# KiCad board design.kicad_pcb (continued)
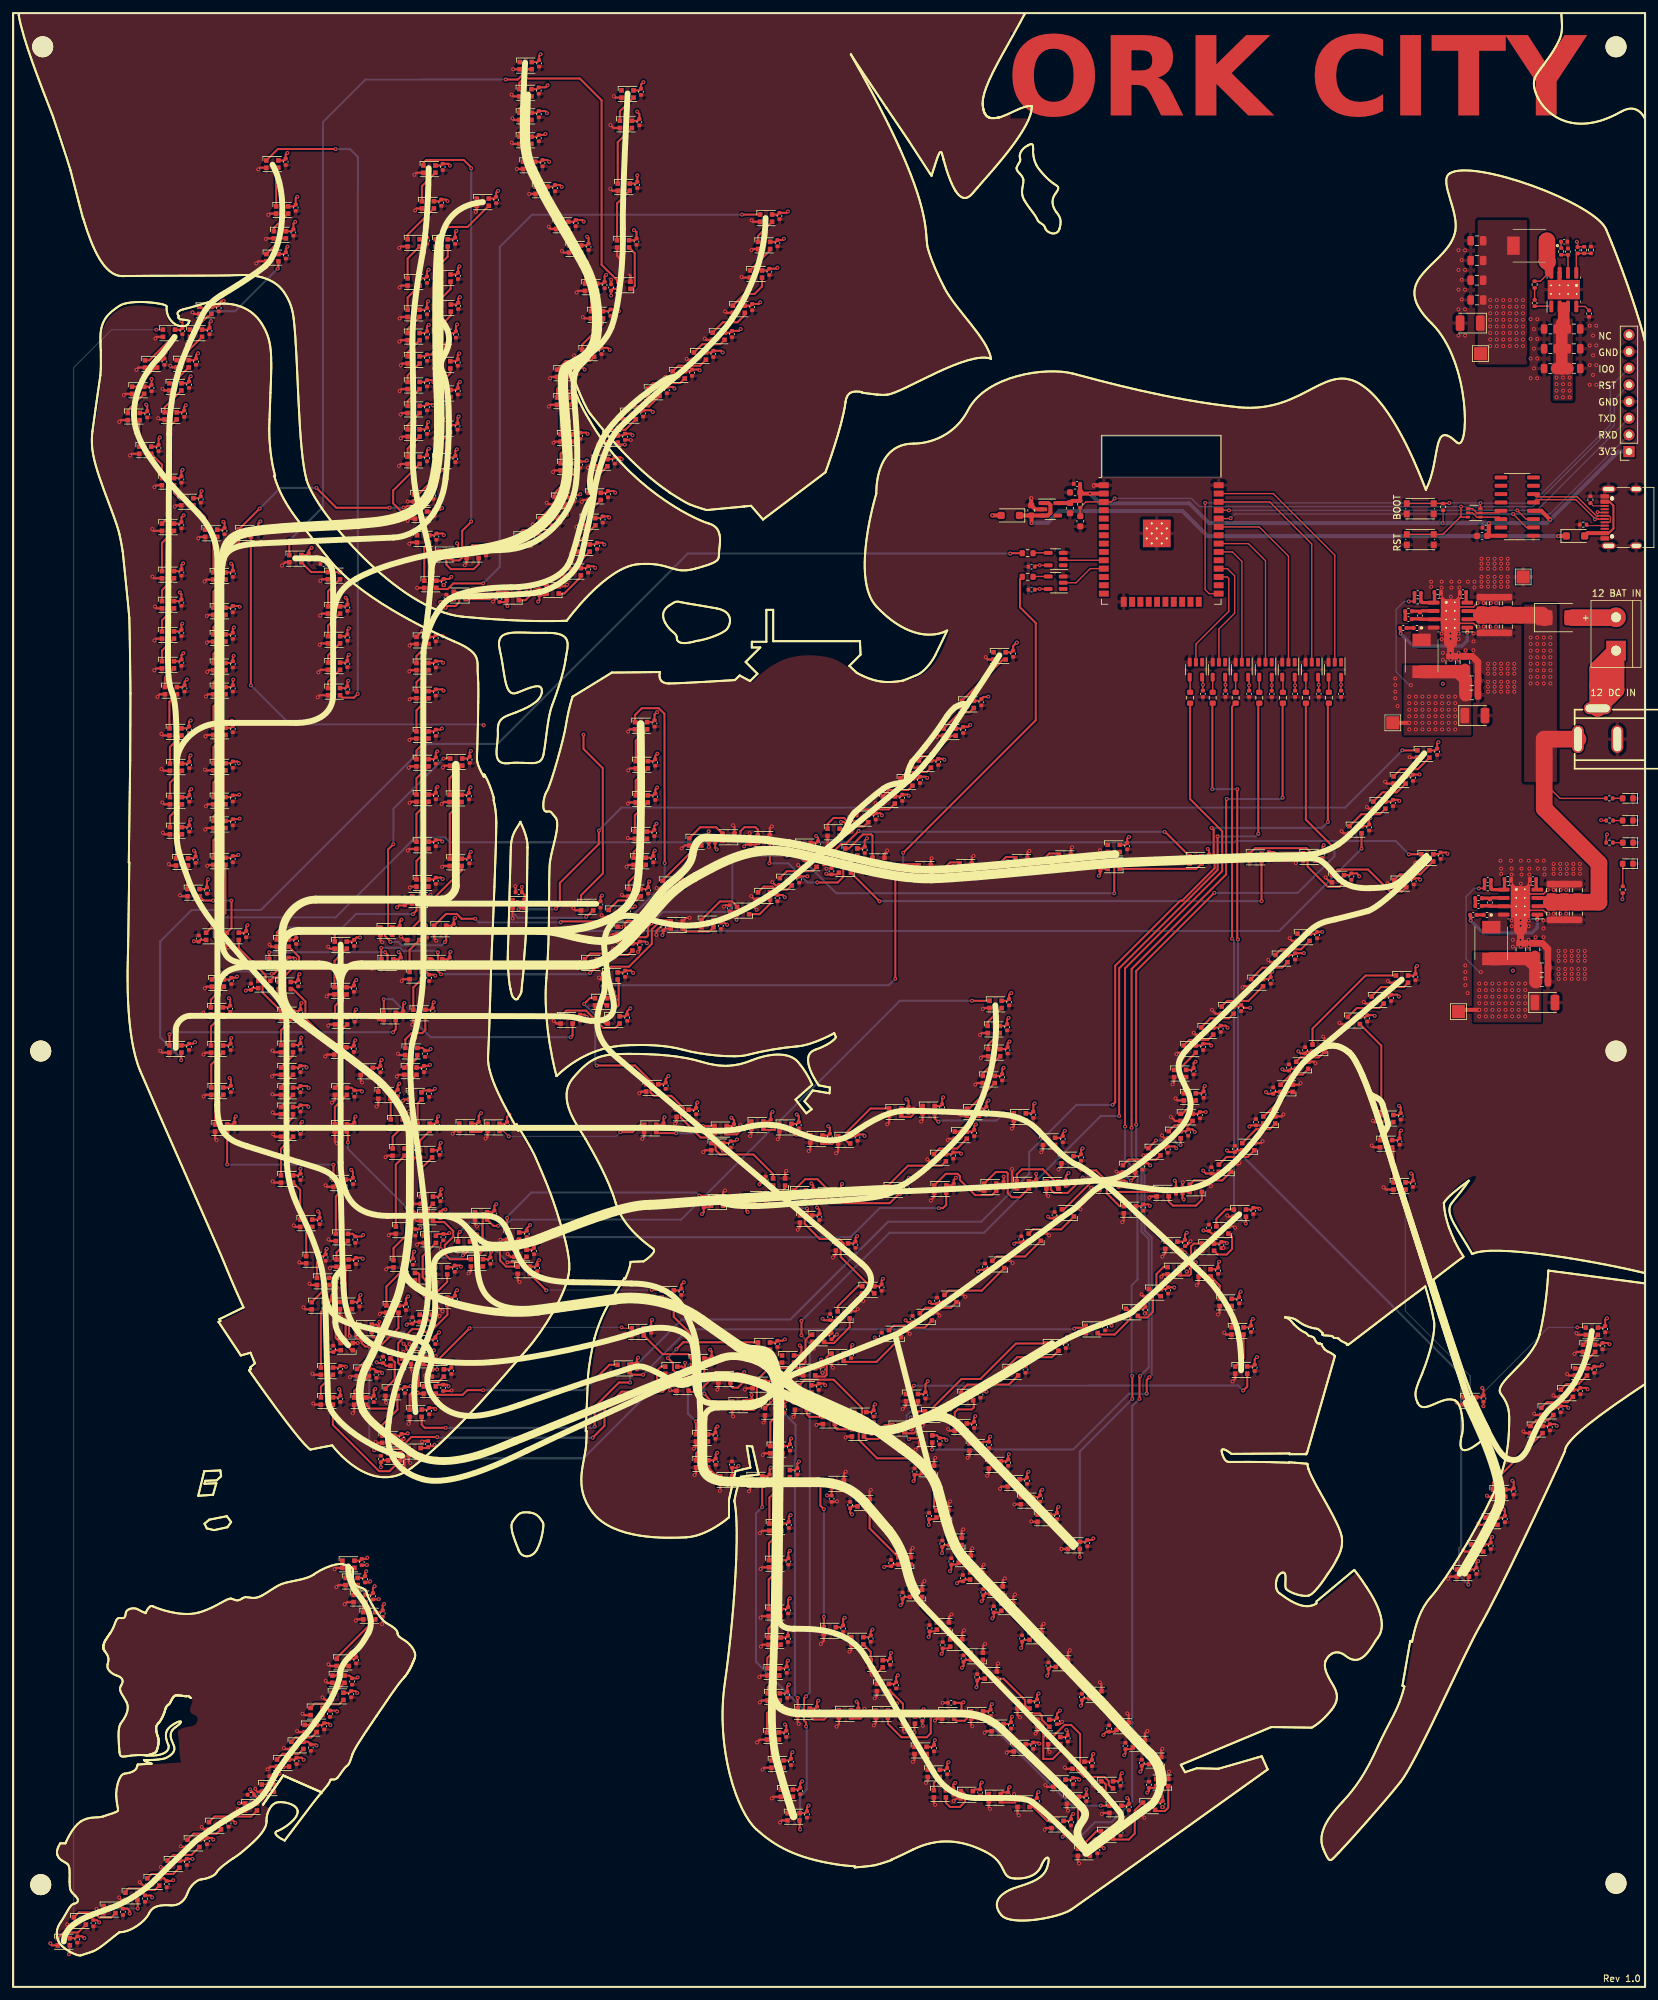
[diagram p0: board, top side]
## Routing (per net, layer and track width the routed paths; a pad name or vN(x,y) marks a point on that pad's centre or on a via; arc(x,y) is an arc through that point) (continued)
v1(60.56,91.53) 60.56,91.61 60.41,91.46 ; v1(27.03,187.61) 26.84,187.42 C288.1 26.57,186.37 D239.4 ; v1(52.13,144.21) 51.91,143.99 C366.1 51.64,143.14 D316.4 ; D155.4 58.77,156.56 C204.1 59.04,157.37 58.76,157.65 v1(58.74,157.65) 58.74,157.67 58.85,157.56 ; D322.4 69.28,187.15 C372.1 69.55,188.13 69.72,188.3 v1(69.74,188.3) 69.74,188.32 69.67,188.25 ; D36.4 62.48,136.56 C83.1 63.97,136.56 v1(64.26,136.83) 64.08,136.67 ; v1(104.95,117.74) 104.96,117.74 105.21,117.99 C429.1 106.07,118.76 D377.4 ; 50.77,211.57 50.67,211.67 v1(50.67,211.64) 50.7,211.64 50.93,211.41 C308.1 50.66,210.32 D259.4 ; D396.4 51.69,159.26 C448.1 52.31,159.88 v1(52.86,159.88) ; D13.4 151.33,80.08 C60.1 151.6,81.02 151.7,81.12 v1(151.7,81.16) 151.74,81.16 151.66,81.08 ; 138.65,42.27 138.72,42.34 v1(138.72,42.32) 138.7,42.32 138.53,42.15 C403.1 138.25,41.21 D351.4 ; v1(65.44,168.79) 65.4,168.79 65.19,169 C89.1 64.12,168.73 D42.4 ; D213.4 172.23,103.32 C262.1 172.5,104 172.1,104.4 v1(172.05,104.4) 172.05,104.45 172.14,104.36 ; v1(65.47,205.76) 65.28,205.95 C96.1 64.12,205.68 D49.4 ; D338.4 97.41,176.01 C389.1 97.68,176.87 98.02,177.21 v1(98.02,177.22) ; 58.79,137.53 58.86,137.6 v1(58.84,137.6) 58.84,137.58 58.58,137.33 C364.1 58.31,136.41 D314.4 ; D225.4 46.42,116.89 C274.1 46.69,117.98 46.52,118.15 v1(46.45,118.15) 46.45,118.22 46.57,118.1 ; 65.2,121.42 65.28,121.5 v1(65.25,121.5) 65.25,121.47 65.09,121.31 C80.1 64.82,120.4 D33.4 ; D319.4 59.94,165.03 C369.1 58.79,164.76 58.5,164.47 v1(58.49,164.47) 58.49,164.46 58.58,164.55 ; D244.4 25.39,211.12 C293.1 25.64,212.17 25.39,212.42 v1(25.39,212.45) 25.36,212.45 25.38,212.43 ; D306.4 62.95,82.1 63.22,82.37 64,82.37 64.19,82.56 v1(64.19,82.59) 64.22,82.59 64.17,82.54 ; 67.75,219.89 67.62,220.02 v1(67.62,219.93) 67.71,219.93 67.79,219.85 C139.1 67.52,218.77 D91.4 ; 127.85,97.77 127.88,97.8 v1(127.87,97.8) 127.87,97.79 127.65,97.57 C187.1 127.38,96.49 D138.4 ; D22.4 126.07,86.84 C69.1 126.34,87.76 126.42,87.84 v1(126.42,87.92) 126.5,87.92 126.39,87.81 ; 33.28,216.79 33.22,216.85 v1(33.22,216.83) 33.24,216.83 33.47,216.6 C246.1 33.2,215.5 D197.4 ; D308.4 54.94,94.15 C358.1 56.04,93.74 56.22,93.56 v1(56.22,93.52) 56.26,93.52 56.17,93.61 ; D35.4 64.3,131.5 C82.1 64.57,132.4 v1(64.77,132.62) 64.63,132.46 ; D280.4 141.83,67.31 C330.1 141.56,66.11 v1(141.53,66.08) ; D74.4 79.82,285.52 C122.1 81.08,285.79 81.33,285.54 v1(81.33,285.46) 81.41,285.46 81.26,285.61 ; 63.94,248.84 64.06,248.96 v1(64.06,248.95) 64.05,248.95 63.79,248.69 C146.1 62.78,248.42 D98.4 ; 119.5,132.82 119.38,132.94 v1(119.38,132.91) 119.41,132.91 119.69,132.62 C513.1 119.42,131.48 D459.4 ; 135.34,58.27 135.21,58.14 v1(135.21,58.16) 135.23,58.16 135.5,58.43 C411.1 135.77,59.4 D359.4 ; v1(81.66,278.05) 81.38,278.33 C124.1 80.38,278.06 D76.4 ; D107.4 224.84,67.41 C156.1 225.11,68.34 225.33,68.56 v1(225.34,68.56) 225.34,68.57 225.25,68.48 ; D356.4 124.7,76.06 C408.1 124.02,74.85 v1(124,74.87) ; D121.4 209.65,150.89 C170.1 210.88,151.16 211.12,150.92 v1(211.12,150.88) 211.16,150.88 211.06,150.98 ; D207.4 28.54,159.5 C256.1 v1(27.53,159.3) ; 53.26,114.47 53.34,114.55 v1(53.32,114.55) 53.32,114.53 53.11,114.32 C196.1 51.72,114.73 D147.4 ; D136.4 137.88,101.26 C185.1 136.26,101.26 135.97,101.55 v1(135.96,101.55) ; D54.4 88.68,219.76 C101.1 89.8,220.03 90.08,219.75 v1(90.08,219.73) 90.1,219.73 89.98,219.85 ; 113.8,256.61 113.84,256.65 v1(113.82,256.65) 113.82,256.63 113.59,256.4 C111.1 112.32,256.13 D64.4 ; D81.4 90.75,255.29 C129.1 92.1,255.56 92.3,255.36 v1(92.3,255.3) 92.36,255.3 92.24,255.42 ; D134.4 148.34,109.51 C183.1 147.22,109.24 147.03,109.05 v1(147.03,108.99) 146.97,108.99 147.06,109.08 ; 126.27,122.27 126.34,122.34 v1(126.29,122.34) 126.29,122.29 126.12,122.12 C432.1 125.85,121.15 D380.4 ; 176.76,106.55 176.91,106.4 v1(176.91,106.54) 176.77,106.54 176.72,106.59 C261.1 175.69,106.32 D212.4 ; 33.02,138.36 32.91,138.47 v1(32.98,138.47) 32.98,138.4 33.16,138.22 C199.1 32.89,137.01 D150.4 ; v1(32.08,256.85) 31.73,256.85 31.32,256.44 C300.1 31.05,255.96 D251.4 ; 158.22,170.42 158.33,170.31 v1(158.32,170.31) 158.32,170.32 158.19,170.45 C375.1 159.06,171.11 D324.4 ; 63.96,244.63 64.11,244.48 v1(64.03,244.48) 64.03,244.56 63.8,244.79 C147.1 62.78,244.52 D99.4 ; 25.68,253.75 25.61,253.82 v1(25.61,253.78) 25.65,253.78 25.79,253.64 C238.1 25.52,252.48 D189.4 ; D180.4 37.15,28.81 C229.1 36.68,29.49 v1(36.1,30.07) ; D165.4 203.62,169.37 C214.1 204.74,169.64 v1(205.1,169.18) ; D104.4 64.22,221.16 C152.1 65.43,221.43 65.62,221.24 v1(65.62,221.17) 65.69,221.17 65.61,221.25 ; v1(188.46,149.15) 187.56,149.15 C538.1 186.81,149.36 D483.4 ; 180.04,140.93 180.15,141.04 v1(180.15,140.95) 180.06,140.95 179.84,140.73 C535.1 179.57,139.7 D480.4 ; D241.4 25.84,198.03 C290.1 26.11,198.81 26.48,199.18 v1(26.48,199.19) ; D355.4 126.19,54.8 C407.1 126.45,56.05 126.65,56.24 v1(126.69,56.24) 126.69,56.28 126.64,56.23 ; 131.34,98.84 131.25,98.93 v1(131.27,98.93) 131.27,98.91 131.49,98.69 C186.1 132.59,98.96 D137.4 ; D276.4 122.46,91.65 C326.1 123.51,91.92 123.73,91.7 v1(123.73,91.66) 123.77,91.66 123.72,91.71 ; 20.3,241.04 20.27,241.07 v1(20.27,241.06) 20.28,241.06 20.43,240.91 C241.1 20.16,239.79 D192.4 ; 44.65,140.21 44.79,140.07 v1(44.7,140.07) 44.7,140.16 44.53,140.33 C279.1 43.5,140.06 D230.4 ; 143.47,31.07 143.54,31.14 v1(143.54,31.08) 143.48,31.08 143.24,30.84 C400.1 142.97,29.96 D348.4 ; D467.4 67.04,105.02 C522.1 67.31,105.81 v1(67.63,106.13) ; 227.15,72.71 227.08,72.78 v1(227.08,72.76) 227.1,72.76 227.27,72.59 C157.1 227,71.49 D108.4 ; 97.28,101.6 97.36,101.68 v1(97.36,101.62) 97.3,101.62 97.2,101.52 C191.1 96.93,100.34 D142.4 ; 41.79,265.07 41.85,265.13 v1(41.81,265.13) 41.81,265.09 41.55,264.83 C301.1 41.28,264 D252.4 ; D453.4 159.65,129.36 C507.1 159.92,130.08 160.23,130.39 v1(160.23,130.42) ; D89.4 79.48,221.08 C137.1 80.59,221.35 80.74,221.2 v1(80.74,221.17) 80.77,221.17 80.72,221.22 ; v1(43.77,124.67) C275.1 43.5,123.63 D226.4 ; v1(195.8,142.52) 195.84,142.52 196.16,142.2 C172.1 197.1,142.47 D123.4 ; D115.4 242.28,100.43 C164.1 242.55,101.64 242.77,101.86 v1(242.83,101.86) 242.83,101.92 242.7,101.79 ; D126.4 190.19,131.25 C175.1 188.51,131.25 188.34,131.08 v1(188.34,131.07) 188.33,131.07 188.38,131.12 ; 27.11,182.46 27.15,182.5 v1(27.15,182.48) 27.13,182.48 26.84,182.19 C287.1 26.57,181.26 D238.4 ; 117.4,98.64 v1(117.58,98.64) 117.2,98.44 C354.1 116.18,98.17 D304.4 ; D159.4 122.37,174.28 C208.1 122.63,175.06 122.36,175.34 v1(122.33,175.34) ; D52.4 81.02,212.01 C99.1 80.18,211.2 80.03,211.05 v1(79.98,211.05) 79.98,211 80.12,211.14 ; v1(25.95,203.18) 25.94,203.18 25.64,202.88 C291.1 25.39,201.97 D242.4 ; v1(33.85,25) 33.48,25.37 C230.1 32.56,25.1 D181.4 ; D149.4 33.46,131.39 C198.1 33.73,132.4 33.94,132.61 v1(33.94,132.63) 33.96,132.63 33.84,132.51 ; 67.93,262.02 68.01,262.1 v1(68,262.1) 68,262.09 67.78,261.87 C451.1 67.51,260.88 D399.4 ; D347.4 146.48,30.09 C399.1 147.34,30.91 147.56,31.13 v1(147.58,31.13) 147.58,31.15 147.52,31.09 ; 123.99,169.56 123.87,169.68 v1(123.87,169.59) 123.96,169.59 124.07,169.48 C211.1 125.54,169.48 D162.4 ; 131.23,88.68 131.32,88.77 v1(131.32,88.75) 131.3,88.75 131.1,88.55 C327.1 130.83,87.58 D277.4 ; D481.4 181.03,143.42 C536.1 182.28,143.69 182.53,143.44 v1(182.53,143.41) 182.56,143.41 182.45,143.52 ; 87.31,232.49 87.4,232.58 v1(87.4,232.55) 87.37,232.55 87.22,232.4 C134.1 86.1,232.13 D86.4 ; D373.4 106.73,84.19 C425.1 107,85.12 107.25,85.37 v1(107.31,85.37) 107.31,85.43 107.16,85.28 ; 110.22,129.06 110.28,129.12 v1(110.28,129.09) 110.25,129.09 109.99,128.83 C489.1 109.06,128.56 D436.4 ; D311.4 60.86,115.83 C361.1 61.83,115.42 v1(62.06,115.65) ; 211.39,130.39 211.46,130.46 v1(211.46,130.45) 211.45,130.45 211.22,130.23 C167.1 210.95,129.01 D118.4 ; D420.4 107.41,162.54 C472.1 108.37,162.13 108.68,161.82 v1(108.78,161.82) 108.78,161.72 108.66,161.84 ; 52.08,132.5 52.18,132.6 v1(52.16,132.6) 52.16,132.58 51.97,132.39 C444.1 51.7,131.41 D392.4 ; D47.4 64.12,197.42 C94.1 65.39,197.69 65.57,197.51 v1(65.57,197.48) 65.6,197.48 65.54,197.54 ; 28.67,227.85 28.71,227.89 v1(28.71,227.87) 28.69,227.87 28.58,227.76 C244.1 28.31,226.81 D195.4 ; v1(178.33,119.96) 178.15,120.14 C178.1 178.42,121.11 D129.4 ; D372.4 106.76,80.23 C424.1 107.03,81.13 v1(107.26,81.36) ; D103.4 63.9,224.77 C151.1 65.09,225.04 65.34,225.29 v1(65.36,225.29) 65.36,225.31 65.27,225.22 ; D298.4 151.75,40.05 C348.1 152.02,41.02 152.16,41.16 v1(152.19,41.16) 152.19,41.19 152.11,41.11 ; D482.4 183.7,146.17 C537.1 184.74,146.44 185.03,146.15 v1(185.03,146.13) 185.05,146.13 184.93,146.25 ; 117.58,89.13 117.66,89.21 v1(117.66,89.2) 117.65,89.2 117.49,89.04 C325.1 117.22,88.18 D275.4 ; D387.4 151.16,146.41 C439.1 151.43,147.36 151.67,147.6 v1(151.67,147.64) 151.71,147.64 151.63,147.56 ; D470.4 79.08,112.31 C525.1 79.35,112.8 79.88,113.33 v1(79.88,113.35) ; 67.5,234.16 67.6,234.26 v1(67.6,234.24) 67.58,234.24 67.38,234.04 C457.1 67.1,232.99 D405.4 ; D278.4 138.2,78.03 C328.1 137.34,77.22 137.18,77.06 v1(137.18,77.04) 137.16,77.04 137.26,77.14 ; 64.49,182.78 64.64,182.93 v1(64.64,182.83) 64.54,182.83 64.39,182.68 C91.1 64.12,181.65 D44.4 ; 152.79,204.74 152.91,204.86 v1(152.91,204.8) 152.85,204.8 152.35,204.3 C484.1 152.08,203.32 D432.4 ; 186.98,105.84 187.06,105.92 v1(187.02,105.92) 187.02,105.88 186.79,105.65 C502.1 186.52,104.83 D448.4 ; D60.4 99.33,243.48 C107.1 100.54,243.75 100.76,243.53 v1(100.76,243.51) 100.78,243.51 100.68,243.61 ; D208.4 188.67,118.43 C257.1 189.72,118.7 189.9,118.52 v1(189.9,118.51) 189.91,118.51 189.81,118.61 ; D151.4 32.86,143.43 C200.1 33.13,144.45 v1(33.26,144.58) ; D458.4 124.16,129.71 C512.1 124.43,130.9 124.22,131.11 v1(124.18,131.11) 124.18,131.15 124.29,131.04 ; 51.03,198.97 51.06,199 v1(51.06,198.99) 51.05,198.99 50.93,198.87 C305.1 50.66,197.88 D256.4 ; D218.4 55.34,100.9 C267.1 55.75,101.28 v1(55.8,101.33) ; v1(94.46,154.48) 94.46,154.52 94.15,154.83 C470.1 92.97,154.56 D418.4 ; 51.07,202.84 51.17,202.94 v1(51.15,202.94) 51.15,202.92 50.93,202.7 C306.1 50.66,201.76 D257.4 ; 160.46,98.97 160.57,99.08 v1(160.56,99.08) 160.56,99.07 160.38,98.89 C65.1 160.11,98.02 D18.4 ; D163.4 191.05,172.63 C212.1 192.08,172.9 192.32,172.66 v1(192.32,172.63) 192.35,172.63 192.21,172.77 ; v1(90.9,249.4) 90.9,249.41 90.6,249.71 C130.1 89.37,249.44 D82.4 ; D198.4 33.2,210.12 C247.1 34.43,210.39 34.52,210.3 v1(34.52,210.25) 34.57,210.25 34.53,210.29 ; D16.4 147.1,90.45 C63.1 147.9,90.72 147.95,90.67 v1(148.3,90.67) ; 53.93,65.31 54,65.38 v1(53.96,65.38) 53.96,65.34 53.82,65.2 C217.1 52.85,64.93 D168.4 ; D402.4 67.46,247.67 C454.1 67.74,248.64 67.95,248.85 v1(67.97,248.85) 67.97,248.87 67.89,248.79 ; D365.4 158.76,40.71 C417.1 159.03,41.63 v1(159.49,42.09) ; D32.4 64.68,114.7 C79.1 66.28,114.7 66.42,114.84 v1(66.45,114.84) 66.45,114.87 66.36,114.78 ; D438.4 122.57,117.53 C491.1 122.84,118.4 122.49,118.75 v1(122.48,118.75) ; D141.4 106.16,95.76 C190.1 106.42,96.82 106.19,97.06 v1(106.19,97.07) 106.18,97.07 106.26,96.99 ; 105.97,175.99 v1(105.97,176.06) 106.04,176.06 105.97,175.99 ; 23.17,248.9 23.25,248.98 v1(23.22,248.98) 23.22,248.95 23.05,248.78 C239.1 22.78,247.81 D190.4 ; 111.84,118.11 111.91,118.04 v1(111.91,118.05) 111.9,118.05 111.7,118.25 C430.1 111.97,119.46 D378.4 ; 53.09,136.46 53.16,136.39 v1(53.16,136.41) 53.14,136.41 52.97,136.58 C445.1 51.59,136.99 D393.4 ; D233.4 36.5,152.16 C282.1 35.59,151.89 35.48,151.78 v1(35.45,151.78) 35.45,151.75 35.51,151.81 ; 27,245.33 27.06,245.39 v1(27.06,245.38) 27.05,245.38 26.8,245.13 C297.1 26.53,244.31 D248.4 ; 52.41,44.86 52.5,44.77 v1(52.42,44.77) 52.42,44.85 52.19,45.08 C223.1 51.22,44.81 D174.4 ; D48.4 64.12,201.7 C95.1 65.28,201.97 65.51,201.74 v1(65.51,201.72) 65.53,201.72 65.45,201.8 ; 64.17,228.5 64.27,228.6 v1(64.27,228.56) 64.23,228.56 64.03,228.36 C458.1 63.76,227.39 D406.4 ; v1(65.87,118.42) 65.86,118.43 65.47,118.43 C443.1 64.83,117.79 D391.4 ; v1(75.3,210.37) 75.21,210.46 D51.4 74.94,210.99 C98.1 ; v1(67.52,267.52) 67.34,267.34 C450.1 67.07,266.24 D398.4 ; D381.4 135.87,121.96 C433.1 136.14,122.95 v1(136.47,123.28) ; D254.4 42.78,271.26 C303.1 43.05,272.5 43.28,272.73 v1(43.29,272.73) 43.29,272.74 43.22,272.67 ; v1(139.35,92.27) 138.99,91.79 C499.1 138.72,90.33 D445.4 ; v1(147.55,58.75) 147.81,59.01 C333.1 148.08,59.91 D283.4 ; 49.75,90.98 49.67,91.06 v1(49.67,91.04) 49.69,91.04 49.85,90.88 C269.1 49.58,89.81 D220.4 ; 34.28,172.47 34.31,172.5 v1(34.31,172.46) 34.27,172.46 34.11,172.3 C255.1 33.2,172.03 D206.4 ; 128.53,114.29 128.6,114.36 v1(128.59,114.36) 128.59,114.35 128.33,114.09 C492.1 128.06,113.28 D439.4 ; D45.4 64.12,187.04 C92.1 64.39,188.01 v1(64.62,188.24) ; 60.94,128.85 61,128.91 v1(61,128.89) 60.98,128.89 60.78,128.7 C362.1 60.52,127.73 D312.4 ; D370.4 114.98,77.8 C422.1 115.25,78.94 v1(115.43,79.11) ; D386.4 151.24,142.88 C438.1 151.51,143.76 151.77,144.02 ; 214.29,168.76 214.37,168.68 v1(214.36,168.68) 214.36,168.69 214.14,168.91 C215.1 213.11,168.64 D166.4 ; D310.4 60.63,110.71 C360.1 60.9,111.78 61.1,111.98 v1(61.1,112.01) 61.13,112.01 61.03,111.91 ; 70.69,114.65 70.67,114.67 v1(70.72,114.67) 70.72,114.62 70.75,114.59 C524.1 70.48,113.55 D469.4 ; D433.4 91.37,150.63 C486.1 91.64,151.67 91.32,151.99 v1(91.28,151.99) ; 26.92,177.74 27.03,177.85 v1(27.01,177.85) 27.01,177.83 26.84,177.66 C286.1 26.57,176.69 D237.4 ; D385.4 150.41,138.79 C437.1 150.68,139.82 150.88,140.02 v1(150.9,140.02) 150.9,140.04 150.84,139.98 ; 180,130.34 180.09,130.25 v1(180.02,130.25) 180.02,130.32 179.69,130.65 C532.1 178.75,130.38 D477.4 ; 184.82,113.39 184.91,113.3 v1(184.91,113.31) 184.9,113.31 184.7,113.51 C259.1 183.82,113.24 D210.4 ; 126.15,177.49 126.13,177.49 v1(126.12,177.47) 126.17,177.49 126.56,177.49 127.04,177.01 C477.1 126.77,176.45 D425.4 ; v1(118.55,83.54) 118.35,83.34 C324.1 118.08,82.4 D274.4 ; 92.62,232.92 v1(92.73,232.75) 92.51,233.03 C104.1 91.38,232.76 D57.4 ; D345.4 155.7,28.51 C397.1 155.97,29.45 v1(156.21,29.69) ; 151.77,144.02 151.81,144.06 v1(151.81,144.02) 151.77,144.02 ; v1(21.09,244.96) C240.1 20.82,243.79 D191.4 ; v1(150.91,123.45) C527.1 150.64,122.38 D472.4 ; 26.47,19.53 v1(27.33,19.49) ; v1(95.21,95.86) 95.03,95.68 C264.1 94.17,95.04 D215.4 ; D247.4 25.79,239.89 C296.1 26.06,240.67 26.31,240.92 v1(26.31,240.96) 26.35,240.96 26.25,240.86 ; v1(52.28,153.39) 51.92,153.03 C447.1 51.65,152.3 D395.4 ; v1(84.7,243.07) 84.69,243.07 D84.4 85.55,242.13 C132.1 ; 132.31,178.6 132.42,178.49 v1(132.36,178.49) 132.36,178.55 132.1,178.81 C478.1 131.15,178.54 D426.4 ; 160.57,39.09 160.46,39.2 v1(160.46,39.13) 160.53,39.13 160.67,38.99 C418.1 160.4,38.07 D366.4 ; D375.4 79.58,109.73 C427.1 79.84,110.46 80.1,110.71 v1(80.13,110.71) 80.13,110.74 80.03,110.64 ; 53.79,63.33 53.8,63.34 v1(53.8,63.31) 53.77,63.31 53.62,63.16 C218.1 53.35,62.31 D169.4 ; 175.04,29.09 174.97,29.16 v1(174.98,29.16) 174.98,29.15 175.12,29.01 C342.1 174.85,28.07 D292.4 ; D397.4 73.32,272.45 C449.1 73.59,273.38 73.83,273.62 v1(73.89,273.62) 73.89,273.68 73.82,273.61 ; D434.4 99.15,137.51 C487.1 99.42,138.32 99.84,138.74 v1(99.84,138.76) ; D62.4 106.4,249 C109.1 107.84,249.27 108.1,249.01 v1(108.1,249) 108.11,249 108,249.11 ; D186.4 16.31,12.33 C235.1 17.41,11.92 17.75,11.58 v1(17.75,11.18) ; 68.13,109.84 68.25,109.72 v1(68.24,109.72) 68.24,109.73 68.07,109.9 C523.1 67.01,109.63 D468.4 ; D268.4 117.59,48.53 C318.1 117.86,49.54 118.01,49.69 v1(118.04,49.69) 118.04,49.72 117.95,49.63 ; 88.58,216.3 88.69,216.19 v1(88.67,216.19) 88.67,216.21 88.45,216.43 C100.1 87.34,216.16 D53.4 ; 34.44,181.65 34.45,181.66 v1(34.45,181.63) 34.42,181.63 34.33,181.54 C253.1 33.2,181.27 D204.4 ; D379.4 121.63,121.32 C431.1 121.91,122.08 121.61,122.37 v1(121.61,122.4) ; D160.4 165.9,170.33 C209.1 165.63,169.58 165.41,169.36 v1(165.41,169.28) 165.33,169.28 165.42,169.37 ; D133.4 153.87,113.66 C182.1 152.72,113.39 152.54,113.21 v1(152.51,113.21) 152.51,113.18 152.63,113.3 ; D464.4 70.66,131.52 C518.1 70.93,132.71 71.29,133.07 v1(71.29,133.12) 71.34,133.12 71.31,133.09 ; D455.4 141.26,134.2 C509.1 141.53,135.36 v1(141.71,135.53) ; D463.4 74.98,131.49 C517.1 75.25,132.55 75.59,132.89 v1(75.6,132.89) ; 63.21,253.15 63.33,253.27 v1(63.33,253.21) 63.27,253.21 63.05,252.99 C145.1 62.78,251.97 D97.4 ; 199.59,173.84 199.7,173.95 v1(199.68,173.95) 199.68,173.93 199.48,173.73 C213.1 199.21,172.7 D164.4 ; D194.4 25.38,229.87 C243.1 ; 142.43,34.21 142.5,34.28 v1(142.5,34.23) 142.45,34.23 142.3,34.08 C401.1 142.03,33.07 D349.4 ; v1(91.1,257.67) 91.1,257.68 C120.1 91.37,258.69 D72.4 ; 91.65,227.76 91.78,227.63 v1(91.74,227.63) 91.74,227.67 91.52,227.89 C103.1 90.36,227.62 D56.4 ; 87.36,147.84 87.44,147.76 v1(87.39,147.76) 87.39,147.81 87.07,148.13 C468.1 86.09,147.86 D416.4 ; D148.4 51.5,122.99 C197.1 51.77,124.17 51.5,124.44 v1(51.5,124.47) 51.47,124.47 51.6,124.34 ; D326.4 143.95,169.77 C377.1 143.09,169.14 v1(142.85,168.89) ; D231.4 43.5,143.49 C280.1 43.77,144.49 v1(43.9,144.62) ; v1(109.44,132.42) 109.82,132.04 C515.1 109.56,131.16 D461.4 ; D110.4 233.85,85.46 C159.1 234.95,85.73 235.17,85.51 v1(235.17,85.48) 235.2,85.48 235.16,85.52 ; 149.25,56.18 149.19,56.12 v1(149.19,56.14) 149.21,56.14 149.4,56.33 C334.1 150.28,57.03 D284.4 ; 68.03,244.49 68.09,244.55 v1(68.09,244.52) 68.06,244.52 67.75,244.21 C455.1 67.48,243.3 D403.4 ; D271.4 117.84,65.02 C321.1 118.11,66.17 118.35,66.41 v1(118.35,66.43) 118.37,66.43 118.27,66.33 ; 104.16,92.91 104.25,93 v1(104.22,93) 104.22,92.97 104.05,92.8 C73.1 103.78,91.92 D26.4 ; D265.4 118.23,34.49 C315.1 118.5,35.56 118.69,35.75 v1(118.72,35.75) 118.72,35.78 118.66,35.72 ; 151.99,151.41 v1(152.07,151.41) 152.07,151.49 151.99,151.41 ; 151.99,151.41 151.73,151.15 C440.1 151.46,150.23 D388.4 ; v1(98.12,182.72) 98.12,182.68 97.83,182.39 C388.1 97.56,181.54 D337.4 ; D352.4 134.26,46.16 C404.1 134.53,47.19 134.79,47.45 v1(134.79,47.47) 134.81,47.47 134.7,47.36 ; v1(164.58,68.32) 164.34,68.08 C56.1 163.39,67.81 D9.4 ; D75.4 79.82,281.87 C123.1 80.95,282.14 81.09,282.28 v1(81.09,282.3) 81.11,282.3 81.02,282.21 ; v1(199.44,160.73) C541.1 198.39,160.46 D486.4 ; 60.03,84.37 60.11,84.45 v1(60.11,84.32) 59.98,84.32 59.9,84.24 C74.1 58.91,83.97 D27.4 ; 47.67,112.37 47.78,112.48 v1(47.78,112.45) 47.75,112.45 47.6,112.31 C273.1 47.33,111.33 D224.4 ; 83.45,274.39 v1(83.58,274.23) 83.31,274.53 C125.1 82.28,274.26 D77.4 ; v1(131.13,86.1) 131.1,86.1 130.79,85.79 C68.1 130.52,84.95 D21.4 ; v1(214.27,184.71) 214.25,184.69 C463.1 213,184.42 D411.4 ; 119.64,79.92 119.75,80.03 v1(119.72,80.03) 119.72,80 119.47,79.75 C323.1 119.2,78.75 D273.4 ; D85.4 86.1,236.52 C133.1 87.36,236.79 87.52,236.63 v1(87.52,236.6) 87.55,236.6 87.48,236.67 ; v1(60.18,105.2) 60.17,105.2 59.83,104.87 C359.1 59.56,103.81 D309.4 ; 156.09,44.6 156.23,44.74 v1(156.23,44.69) 156.18,44.69 155.99,44.5 C416.1 155.72,43.52 D364.4 ; D83.4 85.55,246.38 C131.1 86.87,246.65 87.07,246.45 v1(87.07,246.4) 87.12,246.4 87.04,246.48 ; v1(181.56,137.25) 181.54,137.25 181.37,137.08 C534.1 181.1,136.14 D479.4 ; 102.39,94.15 v1(102.36,95.07) ; 157.59,47.5 157.49,47.4 v1(157.54,47.4) 157.54,47.45 157.73,47.65 C336.1 158,48.74 D286.4 ; D474.4 160.11,122.72 C529.1 160.38,123.55 160.79,123.96 v1(160.79,124) 160.83,124 160.75,123.92 ; 52.26,148.87 52.29,148.9 v1(52.25,148.9) 52.25,148.86 52.02,148.63 C446.1 51.75,147.73 D394.4 ; 98.01,194.15 98.12,194.26 v1(98.12,194.2) 98.06,194.2 97.72,193.86 C386.1 97.45,192.69 D335.4 ; 66.14,91.68 v1(66.33,91.5) 66.07,91.75 C265.1 64.66,91.75 D216.4 ; 62.95,267.51 62.85,267.61 v1(62.86,267.61) 62.86,267.6 63.05,267.41 C142.1 62.78,266.25 D94.4 ; 151.73,30.39 151.8,30.46 v1(151.8,30.43) 151.77,30.43 151.6,30.26 C398.1 150.73,29.64 D346.4 ; v1(182,173.37) 182.2,173.18 C210.1 181.93,172.25 D161.4 ; D19.4 141.58,87.68 C66.1 142.72,87.95 v1(142.8,87.96) 142.74,87.95 142.73,87.95 ; D404.4 67.44,237.94 C456.1 67.71,239.07 67.88,239.24 v1(67.89,239.24) 67.89,239.25 67.82,239.18 ; 132.73,64.01 132.69,63.97 v1(132.71,63.97) 132.71,63.99 132.81,64.09 C410.1 134.04,64.36 D358.4 ; 43.3,160.63 43.33,160.66 v1(43.32,160.66) 43.32,160.65 43.13,160.46 C368.1 42.86,159.57 D318.4 ; D457.4 128.38,129.6 C511.1 129.58,129.87 129.72,129.73 v1(129.72,129.63) 129.82,129.63 129.69,129.76 ; v1(178.81,114.9) 178.53,114.62 C504.1 178.26,113.54 D450.4 ; D383.4 146.15,130.3 C435.1 146.42,131.14 146.67,131.39 v1(146.68,131.39) 146.68,131.4 146.58,131.3 ; D246.4 25.39,222.92 C295.1 25.64,223.87 25.96,224.19 v1(25.98,224.19) ; 86.88,269.03 86.97,268.94 v1(86.93,268.94) 86.93,268.98 86.72,269.19 C126.1 85.44,268.92 D78.4 ; 118,270.46 118.03,270.49 v1(118.03,270.48) 118.02,270.48 117.82,270.28 C114.1 116.49,270.01 D67.4 ; D17.4 153.39,94.53 C64.1 154.24,95.16 v1(154.41,95.33) ; 166.11,38.42 166.05,38.36 v1(166.09,38.36) 166.09,38.4 166.57,38.88 C338.1 167.84,38.88 D288.4 ; 123.35,101.76 123.32,101.79 v1(123.33,101.79) 123.33,101.78 123.55,101.56 C494.1 125.36,101.56 D441.4 ; 46.19,36.82 46.24,36.77 v1(46.22,36.77) 46.22,36.79 46.08,36.93 C226.1 44.94,37.34 D177.4 ; D485.4 195.03,157.21 C540.1 196.65,157.48 v1(196.66,157.49) ; 27.58,173.11 27.54,173.15 v1(27.54,173.1) 27.59,173.1 27.8,172.89 C285.1 27.53,171.93 D236.4 ; 53.24,110.98 53.29,110.93 v1(53.26,110.93) 53.26,110.96 53.14,111.08 C195.1 51.95,110.81 D146.4 ; 166.12,21.16 166.17,21.11 v1(166.17,21.13) 166.15,21.13 165.96,21.32 C344.1 164.92,21.05 D294.4 ; 97.33,240.05 97.46,239.92 v1(97.46,239.94) 97.44,239.94 97.18,240.2 C106.1 95.72,239.93 D59.4 ; 169.84,28.77 169.72,28.89 v1(169.72,28.78) 169.83,28.78 169.98,28.63 C421.1 169.71,27.6 D369.4 ; D428.4 137.88,184.1 C480.1 139.04,184.37 139.23,184.18 v1(139.26,184.18) 139.26,184.15 139.13,184.28 ; D261.4 44.77,218.14 C310.1 45.04,218.83 45.46,219.25 v1(45.48,219.25) ; D87.4 85.19,226.99 C135.1 86.26,227.26 86.41,227.41 v1(86.41,227.42) 86.42,227.42 86.33,227.33 ; 55.43,95.13 55.38,95.18 v1(55.38,95.15) 55.41,95.15 55.52,95.04 C76.1 56.78,94.63 D29.4 ; v1(66.76,214.82) 66.44,214.5 C153.1 65.32,214.23 D105.4 ; 139.52,53.4 139.43,53.31 v1(139.47,53.31) 139.47,53.35 139.62,53.5 C412.1 140.47,54.16 D360.4 ; v1(42.98,268.91) 42.98,268.9 42.7,268.62 C302.1 42.43,267.48 D253.4 ; D390.4 72.44,110.86 C442.1 72.71,111.84 72.85,111.98 v1(72.85,112.02) 72.89,112.02 72.8,111.93 ; 139.53,71.24 v1(139.51,70.38)
  Top w0.5: 213.5,212.33 213.5,211.08 ; 224.17,168.61 224.17,167.36
  Top w0.61: 220.87,148.85 v1(223.37,148.85) ; TP1.1 v1(212.7,192.57) ; D2.2 v1(149.17,224.17)
  Top w1: 229.7,157.12 231.85,157.12 ; 219.04,200.84 221.19,200.84
  Top w1.5: 221.19,200.84 221.19,199.09 ; 231.85,157.12 231.85,155.37
  Top w2: 231.85,155.61 230.83,156.64 225.25,156.64 ; 221.19,199.33 220.16,200.36 214.59,200.36 ; 231.97,155.26 231.97,153.12 ; 221.3,198.98 221.3,196.84
  Bottom w0.203: v1(212.63,211.07) 211.94,211.07 210.69,209.82 210.69,200.33 212.7,198.32 v1(212.95,198.32) ; v1(223.62,154.6) 223.37,154.6 221.36,156.61 221.36,166.1 222.61,167.35 v1(223.3,167.35)
  vias: v1(156.4,216.57) v1(156.4,212.97) v1(181.26,198.37) v1(184.7,198.37) v1(188.3,198.27) v1(191.75,198.27) v1(195.3,198.27) v1(198.9,198.37) v1(202.3,198.37) v1(212.7,196.57) v1(212.7,195.57) v1(212.7,194.57) v1(212.7,193.57) v1(212.7,191.57) v1(213.7,196.57) v1(213.7,195.57) v1(213.7,194.57) v1(213.7,193.57) v1(213.7,192.57) v1(213.7,191.57) v1(214.7,196.57) v1(214.7,195.57) v1(214.7,194.57) v1(214.7,193.57) v1(214.7,192.57) v1(214.7,191.57) v1(215.7,196.57) v1(215.7,195.57) v1(215.7,194.57) v1(215.7,193.57) v1(215.7,192.57) v1(215.7,191.57) v1(216.7,196.57) v1(216.7,195.57) v1(216.7,194.57) v1(216.7,193.57) v1(216.7,192.57) v1(216.7,191.57) v1(217.7,196.57) v1(217.7,195.57) v1(217.7,194.57) v1(217.7,193.57) v1(217.7,192.57) v1(217.7,191.57) v1(218.7,196.57) v1(218.7,195.57) v1(218.7,194.57) v1(218.7,193.57) v1(218.7,192.57) v1(218.7,191.57) v1(219.7,196.57) v1(219.7,195.57) v1(219.7,194.57) v1(219.7,193.57) v1(219.7,192.57) v1(219.7,191.57) v1(223.37,152.85) v1(223.37,151.85) v1(223.37,150.85) v1(223.37,149.85) v1(223.37,147.85) v1(224.37,152.85) v1(224.37,151.85) v1(224.37,150.85) v1(224.37,149.85) v1(224.37,148.85) v1(224.37,147.85) v1(225.03,256.97) v1(225.03,255.97) v1(225.03,254.97) v1(225.03,253.97) v1(225.03,252.97) v1(225.03,251.97) v1(225.03,250.97) v1(225.03,249.97) v1(225.37,152.85) v1(225.37,151.85) v1(225.37,150.85) v1(225.37,149.85) v1(225.37,148.85) v1(225.37,147.85) v1(226.03,256.97) v1(226.03,255.97) v1(226.03,254.97) v1(226.03,253.97) v1(226.03,252.97) v1(226.03,251.97) v1(226.03,250.97) v1(226.03,249.97) v1(226.37,152.85) v1(226.37,151.85) v1(226.37,150.85) v1(226.37,149.85) v1(226.37,148.85) v1(226.37,147.85) v1(227.03,256.97) v1(227.03,255.97) v1(227.03,254.97) v1(227.03,253.97) v1(227.03,252.97) v1(227.03,251.97) v1(227.03,250.97) v1(227.03,249.97) v1(227.37,152.85) v1(227.37,151.85) v1(227.37,150.85) v1(227.37,149.85) v1(227.37,148.85) v1(227.37,147.85) v1(228.03,256.97) v1(228.03,255.97) v1(228.03,254.97) v1(228.03,253.97) v1(228.03,252.97) v1(228.03,251.97) v1(228.03,250.97) v1(228.03,249.97) v1(228.37,152.85) v1(228.37,151.85) v1(228.37,150.85) v1(228.37,149.85) v1(228.37,148.85) v1(228.37,147.85) v1(229.03,256.97) v1(229.03,255.97) v1(229.03,254.97) v1(229.03,253.97) v1(229.03,252.97) v1(229.03,251.97) v1(229.03,250.97) v1(229.03,249.97) v1(229.37,152.85) v1(229.37,151.85) v1(229.37,150.85) v1(229.37,149.85) v1(229.37,148.85) v1(229.37,147.85) v1(230.03,256.97) v1(230.03,255.97) v1(230.03,254.97) v1(230.03,253.97) v1(230.03,252.97) v1(230.03,251.97) v1(230.03,250.97) v1(230.03,249.97) v1(230.37,152.85) v1(230.37,151.85) v1(230.37,150.85) v1(230.37,149.85) v1(230.37,148.85) v1(230.37,147.85)
